# Altium PCB HIVE_BOARD_PCB ASCII REV Project_PCB_Rev.Project_SCH_Rev.PcbDoc (part 4 of 9)
Units mm, origin at the board's own origin, x right, y up, seen from the top; angles counter-clockwise.
Board outline 110 x 110 mm, 8 copper layers (Top, GND_1, Signal_1, GND_2, PWR, Signal_2, GND_3, Bottom), stack 1.6 mm thick; 674 components, 474 nets, 2528 pads, 2100 vias.
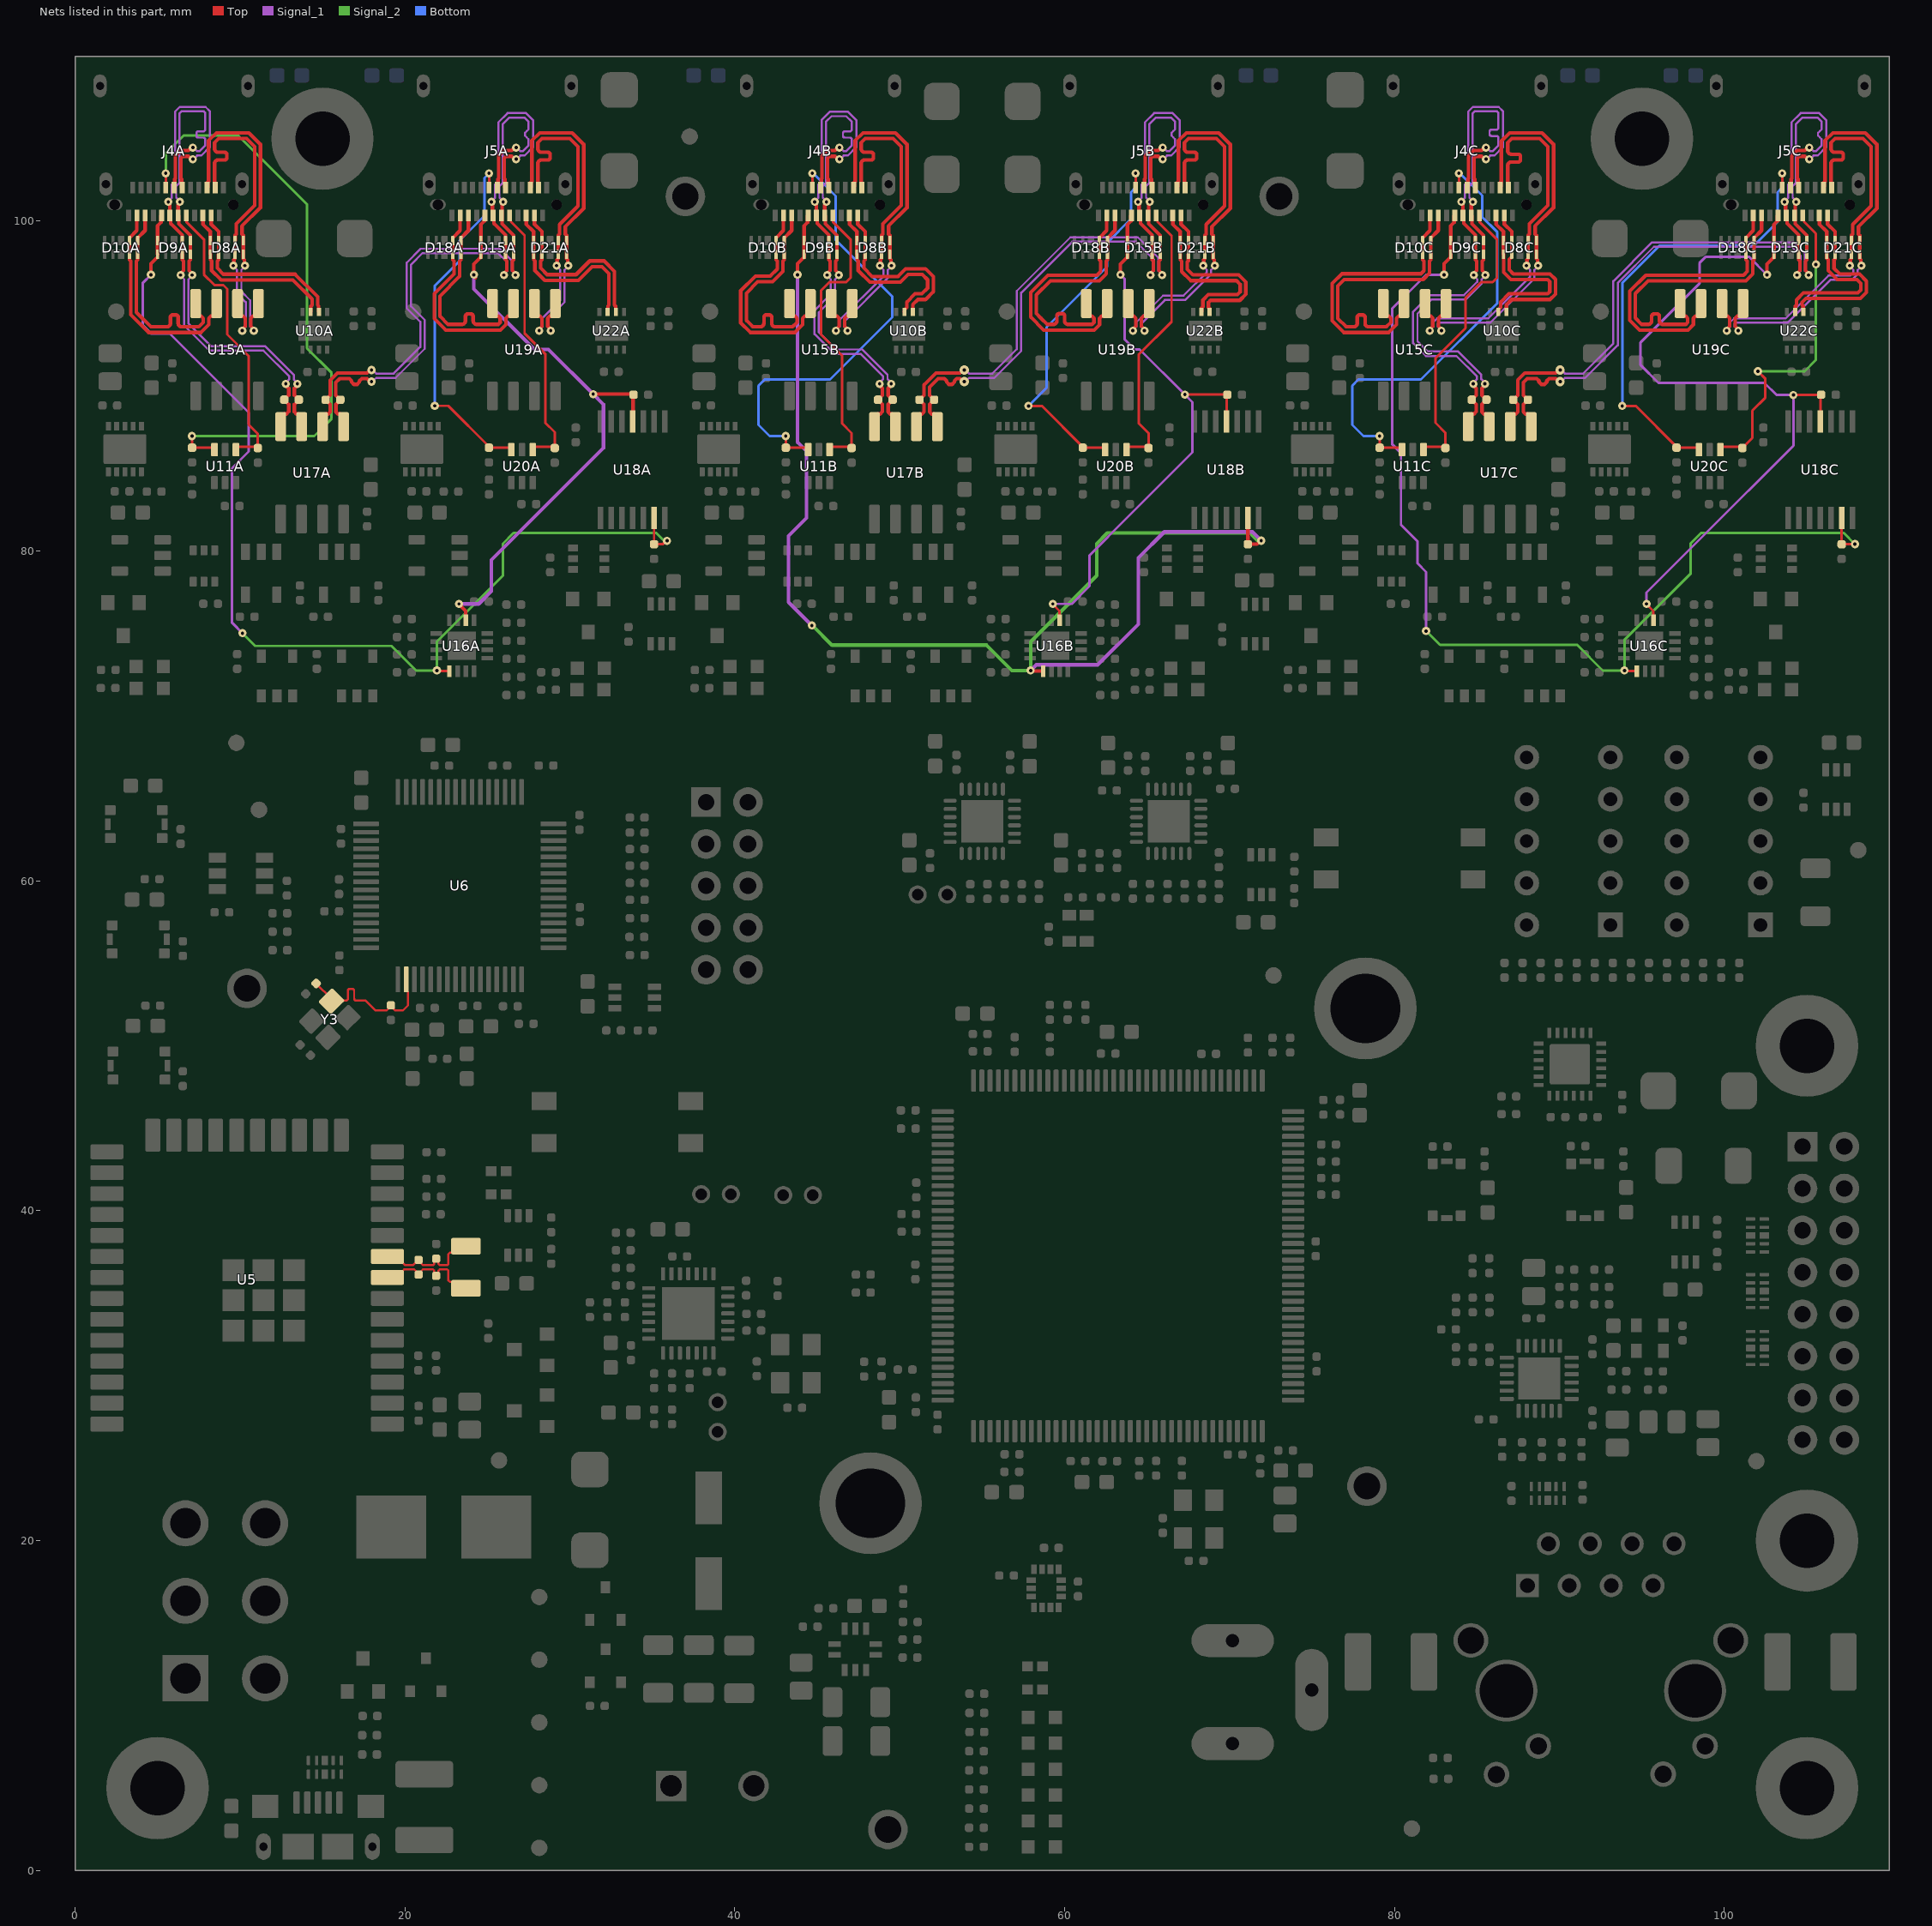
[diagram p10: the nets of this part, all layers, seen from the top]

## Via types
v1: diameter 0.5, hole 0.2, Top to Bottom, tented both sides, 1950 vias
v2: diameter 0.55, hole 0.2, Top to Bottom, tented both sides, 104 vias
v3: diameter 0.5, hole 0.2, Top to Bottom, 41 vias
v4: diameter 0.5, hole 0.2, Top to Bottom, tented bottom, 5 vias

## Nets (pads, with @x,y where several pads share a name; then routed paths per layer and width w, separated by ;. In a path a pad name is that pad's centre, name@x,y a point inside that pad or via, vN(x,y) a via of type N, cw(c..) or ccw(c..) an arc to the next point about the centre after c; other vN are vias at no path point) (continued)
12M_X_P: C74.2 R70.2 U6.2 Y3.1 | length 9.4
  Top w0.127: C74.2@14.615,53.781 Y3.1@15.54,52.856 ; Y3.1@15.551,52.703 15.586,52.738 16.351,52.738 16.414,52.738 ccw(c16.414,52.865) 16.541,52.865 16.541,53.338 cw(c16.656,53.338) 16.656,53.453 16.808,53.453 cw(c16.808,53.338) 16.922,53.338 16.922,52.865 ccw(c17.049,52.865) 17.049,52.738 17.403,52.738 17.62,52.738 18.212,52.146 18.885,52.146 R70.2@19.149,52.411 ; R70.2@19.149,52.459 R70.2@19.149,52.411 ; U6.2@20.071,54.022 20.071,53.382 20.194,53.259 20.194,52.462 19.874,52.141 19.419,52.141 R70.2@19.149,52.411
32K_X_N: C67.2 R132.1 U5.9 X3.2 | length 6.6
  Top w0.127: U5.9@18.932,37.229 19.493,37.229 20.019,36.703 20.487,36.703 R132.1@20.806,37.021 ; R132.1@20.828,37.021 20.828,36.973 21.019,36.783 21.019,36.778 21.093,36.704 21.706,36.704 21.78,36.778 21.78,36.983 C67.2@21.895,37.097 22.031,36.962 22.031,36.784 22.034,36.78 22.034,36.778 22.109,36.704 22.378,36.704 ; 22.379,36.703 22.559,36.703 22.633,36.777 22.633,37.37 22.73,37.466 23.313,37.466 X3.2@23.698,37.851
32K_X_P: C66.2 R132.2 U5.8 X3.1 | length 6.6
  Top w0.127: U5.8@18.932,35.959 19.467,35.959 19.958,36.449 20.56,36.449 R132.2@20.828,36.18 ; R132.2@20.828,36.132 R132.2@20.828,36.18 ; 22.274,36.449 22.559,36.449 22.633,36.375 22.633,35.783 22.73,35.686 23.313,35.686 X3.1@23.698,35.301 ; 22.273,36.45 22.109,36.45 22.034,36.375 22.034,36.374 22.031,36.37 22.031,36.192 C66.2@21.895,36.056 21.78,36.171 21.78,36.375 21.706,36.45 21.093,36.45 21.019,36.375 21.019,36.371 R132.2@20.828,36.18
BB_CC1_0A: J4A.A5 R95A.2 U11A.1 | length 17.8
  Top w0.152: J4A.A5@6.75,100.34 6.75,99.956 7.812,98.893 7.812,96.76 8.459,96.114 8.992,96.114 9.22,95.885 9.22,93.127 10.525,91.822 10.525,87.661 11.082,87.104 R95A.2@11.082,86.245 ; U11A.1@9.752,86.146 9.752,86.266 9.799,86.314 11.013,86.314 R95A.2@11.082,86.245 ; R95A.2@11.137,86.301 R95A.2@11.082,86.245
BB_CC1_0B: J4B.A5 R95B.2 U11B.1 | length 18.2
  Top w0.152: U11B.1@45.752,86.146 45.752,86.266 45.799,86.314 47.013,86.314 R95B.2@47.082,86.245 ; J4B.A5@45.95,100.34 45.95,99.956 47.012,98.893 47.012,96.563 46.751,96.302 45.738,96.302 45.22,95.784 45.22,93.127 45.708,92.639 46.503,91.845 46.503,87.732 47.082,87.153 R95B.2@47.082,86.245 ; R95B.2@47.137,86.301 R95B.2@47.082,86.245
BB_CC1_0C: J4C.A5 R95C.2 U11C.1 | length 18.2
  Top w0.152: U11C.1@81.752,86.146 81.752,86.266 81.799,86.314 83.013,86.314 R95C.2@83.082,86.245 ; R95C.2@83.082,86.314 83.082,87.167 82.481,87.769 82.481,91.691 84.3,93.51 84.3,95.35 85.246,96.296 85.946,96.296 86.213,96.562 86.213,98.893 85.15,99.956 J4C.A5@85.15,100.34
BB_CC1_1A: J5A.A5 R117A.2 U20A.1 | length 16.6
  Top w0.152: J5A.A5@26.35,100.34 26.424,100.266 26.424,99.967 27.254,99.136 27.254,93.2 28.504,91.95 28.504,87.778 29.082,87.2 R117A.2@29.082,86.245 ; U20A.1@27.752,86.146 27.752,86.266 27.799,86.314 R117A.2@29.013,86.314
BB_CC1_1B: J5B.A5 R117B.2 U20B.1 | length 17
  Top w0.152: U20B.1@63.752,86.146 63.752,86.266 63.799,86.314 R117B.2@65.013,86.314 ; R117B.2@65.082,86.245 65.082,86.314 65.082,87.146 64.483,87.745 64.483,91.903 66.48,93.899 66.48,99.111 65.624,99.967 65.624,100.266 J5B.A5@65.55,100.34
BB_CC1_1C: J5C.A5 R117C.2 U20C.1 | length 19.7
  Top w0.152: U20C.1@99.752,86.146 99.752,86.266 99.799,86.314 R117C.2@101.013,86.314 ; R117C.2@101.082,86.245 101.693,86.856 101.693,88.512 102.48,89.299 102.48,90.444 v1(102.028,90.896) ; J5C.A5@104.75,100.34 104.824,100.266 104.824,99.967 105.543,99.247 v1(105.543,97.375)
  Signal_2 w0.152: v1(102.028,90.896) 104.859,90.896 105.543,91.581 v1(105.543,97.375)
BB_CC2_0A: J4A.B5 R97A.1 U11A.3 | length 37.5
  Top w0.152: J4A.B5@5.5,102.04 v1(5.5,102.897) ; v1(7.089,86.97) 7.095,86.964 R97A.1@7.095,86.265 8.404,86.265 8.452,86.218 U11A.3@8.452,86.146
  Signal_2 w0.152: v1(5.5,102.897) 5.5,104.115 6.583,105.198 9.885,105.198 14.065,101.019 14.065,92.29 15.553,90.801 15.553,88.025 14.498,86.97 v1(7.089,86.97)
BB_CC2_0B: J4B.B5 R97B.1 U11B.3 | length 27.9
  Top w0.152: v1(43.089,86.97) 43.095,86.964 R97B.1@43.095,86.265 44.404,86.265 44.452,86.218 U11B.3@44.452,86.146 ; J4B.B5@44.7,102.04 v1(44.7,102.898)
  Bottom w0.152: v1@43.087,86.972 42.105,86.972 41.43,87.646 41.43,90.021 41.807,90.398 45.773,90.398 49.546,94.171 49.546,95.431 46.113,98.864 46.113,101.531 44.746,102.898 v1(44.7,102.898)
BB_CC2_0C: J4C.B5 R97C.1 U11C.3 | length 27.1
  Top w0.152: v1(79.089,86.97) 79.095,86.964 R97C.1@79.095,86.265 80.404,86.265 80.452,86.218 U11C.3@80.452,86.146 ; J4C.B5@83.9,102.04 v1(83.9,102.897)
  Bottom w0.152: v1(79.089,86.97) 78.107,86.97 77.432,87.644 77.432,90.019 77.809,90.396 81.596,90.396 86.232,95.032 86.232,99.326 85.313,100.245 85.313,101.553 83.969,102.897 v1(83.9,102.897)
BB_CC2_1A: J5A.B5 R118A.1 U20A.3 | length 22.1
  Top w0.152: v1(21.811,88.803) 22.622,88.803 R118A.1@25.109,86.315 ; J5A.B5@25.1,102.04 v1(25.1,102.897) ; R118A.1@25.109,86.279 R118A.1@25.095,86.265 26.404,86.265 26.452,86.218 U20A.3@26.452,86.146
  Bottom w0.152: v1(21.811,88.803) 21.811,96.082 23.316,97.587 23.316,98.82 24.821,100.325 24.821,102.618 v1(25.1,102.897)
BB_CC2_1B: J5B.B5 R118B.1 U20B.3 | length 23.5
  Top w0.152: v1(57.805,88.797) 58.616,88.797 R118B.1@61.103,86.31 ; R118B.1@61.109,86.279 R118B.1@61.095,86.265 62.404,86.265 62.452,86.218 U20B.3@62.452,86.146 ; J5B.B5@64.3,102.04 v1(64.3,102.898)
  Bottom w0.152: v1(57.805,88.797) 58.908,89.899 58.908,93.579 62.564,97.236 62.564,98.68 64.029,100.145 64.029,100.936 64.021,100.944 64.021,101.758 64.3,102.037 v1(64.3,102.898)
BB_CC2_1C: J5C.B5 R118C.1 U20C.3 | length 28.1
  Top w0.152: v1(93.805,88.797) 94.616,88.797 R118C.1@97.103,86.31 ; R118C.1@97.109,86.279 R118C.1@97.095,86.265 98.404,86.265 98.452,86.218 U20C.3@98.452,86.146 ; J5C.B5@103.5,102.04 v1(103.5,102.897)
  Bottom w0.152: v1(93.805,88.797) 93.805,96.256 96.052,98.503 101.767,98.503 103.221,99.957 103.221,101.758 103.5,102.037 v1(103.5,102.897)
BB_CLK_0A_N: D8A.5 D8A.6 J4A.A3 U10A.7 | length 11.2
  Top w0.216: J4A.A3@7.75,100.34 7.755,100.334 7.755,99.819 8.2,99.374 D8A.5@8.2,98.817 D8A.6@8.2,97.982 8.208,97.975 8.208,97.652 8.279,97.581 8.279,97.011 8.852,96.438 13.201,96.438 14.365,95.274 14.365,94.912 14.303,94.851 14.303,94.518 U10A.7@14.286,94.501
BB_CLK_0A_P: D8A.4 D8A.7 J4A.A2 U10A.6 | length 11.2
  Top w0.216: J4A.A2@8.25,100.34 8.251,99.814 8.7,99.365 D8A.4@8.7,98.817 D8A.7@8.7,97.982 8.692,97.975 8.692,97.652 8.621,97.581 8.621,97.153 8.994,96.78 13.343,96.78 14.708,95.416 14.708,94.912 14.769,94.851 14.769,94.518 U10A.6@14.786,94.501
BB_CLK_0B_N: D8B.5 D8B.6 J4B.A3 U10B.7 | length 11.1
  Top w0.216: J4B.A3@46.95,100.34 46.955,100.335 46.955,99.819 47.4,99.375 D8B.5@47.4,98.817 47.4,97.983 47.408,97.975 47.408,97.652 47.479,97.581 47.479,97.012 48.186,96.304 50.035,96.304 50.499,96.768 51.365,96.768 51.689,96.444 51.689,95.936 51.346,95.593 50.929,95.593 50.426,95.09 50.426,94.766 50.303,94.643 50.303,94.518 U10B.7@50.286,94.501
BB_CLK_0B_P: D8B.4 D8B.7 J4B.A2 U10B.6 | length 11.1
  Top w0.216: J4B.A2@47.451,100.339 47.451,99.815 47.9,99.366 D8B.4@47.9,98.817 47.9,97.983 47.892,97.975 47.892,97.652 47.822,97.581 47.822,97.154 48.328,96.647 49.893,96.647 50.357,97.111 51.563,97.111 52.032,96.642 52.032,95.719 51.563,95.25 51.097,95.25 50.786,94.94 U10B.6@50.786,94.501
BB_CLK_0C_N: D8C.5 D8C.6 J4C.A3 U10C.7 | length 11.2
  Top w0.216: J4C.A3@86.15,100.34 86.155,100.334 86.155,99.819 86.6,99.374 D8C.5@86.6,98.817 D8C.6@86.6,97.982 86.608,97.975 86.608,96.907 87.058,96.456 89.282,96.456 89.408,96.33 89.408,95.719 89.282,95.593 86.929,95.593 86.426,95.09 86.426,94.766 86.303,94.643 86.303,94.518 U10C.7@86.286,94.501
BB_CLK_0C_P: D8C.4 D8C.7 J4C.A2 U10C.6 | length 11.1
  Top w0.216: J4C.A2@86.65,100.34 86.651,99.815 87.1,99.365 D8C.4@87.1,98.817 D8C.7@87.1,97.982 87.1,97.816 87.084,97.8 87.078,97.8 86.951,97.674 86.951,97.049 87.201,96.799 89.424,96.799 89.751,96.472 89.751,95.577 89.424,95.25 87.097,95.25 86.786,94.94 U10C.6@86.786,94.501
BB_CLK_1A_N: D21A.5 D21A.6 J5A.A3 U22A.7 | length 11.1
  Top w0.216: J5A.A3@27.355,100.334 27.355,99.819 27.8,99.374 D21A.5@27.8,98.817 D21A.6@27.8,97.982 27.808,97.975 27.808,97.652 27.879,97.581 27.879,97.011 28.477,96.412 30.515,96.412 31.346,97.244 31.938,97.244 32.365,96.817 32.365,94.912 32.303,94.851 32.303,94.518 U22A.7@32.286,94.501
BB_CLK_1A_P: D21A.4 D21A.7 J5A.A2 U22A.6 | length 11.2
  Top w0.216: J5A.A2@27.85,100.34 27.851,100.339 27.851,99.814 28.3,99.365 D21A.4@28.3,98.817 D21A.7@28.3,97.982 28.292,97.975 28.292,97.652 28.221,97.581 28.221,97.153 28.619,96.755 30.373,96.755 31.204,97.587 32.08,97.587 32.708,96.959 32.708,94.912 32.769,94.851 32.769,94.518 U22A.6@32.786,94.501
BB_CLK_1B_N: D21B.5 D21B.6 J5B.A3 U22B.7 | length 11.2
  Top w0.216: J5B.A3@66.555,100.335 66.555,99.819 67,99.375 D21B.5@67,98.817 67,97.983 67.008,97.975 67.008,97.652 67.094,97.566 67.094,96.937 67.636,96.395 70.407,96.395 70.637,96.164 70.637,95.71 70.47,95.542 68.704,95.542 68.377,95.215 68.377,94.814 68.303,94.74 68.303,94.518 U22B.7@68.286,94.501
BB_CLK_1B_P: D21B.4 D21B.7 J5B.A2 U22B.6 | length 11.1
  Top w0.216: J5B.A2@67.05,100.34 67.051,100.339 67.051,99.815 67.5,99.366 D21B.4@67.5,98.817 67.5,97.983 67.492,97.975 67.492,97.588 67.436,97.532 67.436,97.079 67.778,96.738 70.549,96.738 70.98,96.306 70.98,95.567 70.612,95.199 68.846,95.199 68.72,95.073 68.72,94.769 68.769,94.72 68.769,94.518 U22B.6@68.786,94.501
BB_CLK_1C_N: D21C.5 D21C.6 J5C.A3 U22C.7 | length 11.2
  Top w0.216: U22C.7@104.286,94.501 104.303,94.518 104.303,94.851 104.365,94.912 104.365,95.223 104.79,95.648 108.092,95.648 108.267,95.824 108.267,96.226 108.04,96.453 106.847,96.453 106.299,97 106.299,97.663 106.2,97.762 D21C.6@106.2,97.982 D21C.5@106.2,98.817 106.2,99.374 105.755,99.819 J5C.A3@105.755,100.334
BB_CLK_1C_P: D21C.4 D21C.7 J5C.A2 U22C.6 | length 11.1
  Top w0.216: U22C.6@104.786,94.501 104.769,94.518 104.769,94.851 104.708,94.912 104.708,95.081 104.932,95.305 108.234,95.305 108.61,95.682 108.61,96.368 108.182,96.796 106.989,96.796 106.642,97.142 106.642,97.65 106.7,97.708 D21C.7@106.7,97.982 ; J5C.A2@106.25,100.34 J5C.A2@106.25,100.34 106.251,99.815 106.7,99.365 D21C.4@106.7,98.817 D21C.7@106.7,97.982
BB_RESET_0A: D9A.5 D9A.6 J4A.A8 R99A.2 U16A.9 U18A.6 | length 65.5
  Top w0.152: D9A.6@4.961,97.776 4.976,97.776 5,97.8 D9A.6@5,97.982 ; J4A.A8@5.208,100.298 J4A.A8@5.25,100.34 ; v1(21.936,72.756) 21.961,72.731 22.681,72.731 22.694,72.719 U16A.9@22.694,72.706 ; U18A.6@35.105,82 35.105,80.416 R99A.2@35.105,80.41 35.626,80.41 35.84,80.623 v1(35.889,80.623)
  Top w0.216: v1(4.597,96.749) 4.597,97.412 D9A.6@4.961,97.776 ; D9A.6@5,97.982 5,99.716 5.208,99.924 5.208,99.971 J4A.A8@5.208,100.298
  Signal_1 w0.152: v1(4.597,96.749) 4.116,96.267 4.116,93.681 4.608,93.189 5.75,93.189 10.534,88.405 10.534,86.038 9.521,85.025 9.521,82.694 9.521,75.645 v1(10.148,75.018)
  Signal_2 w0.152: v1(10.148,75.018) 10.922,74.244 19.188,74.244 20.676,72.756 v1(21.936,72.756) 21.936,74.505 25.94,78.509 25.94,80.447 26.581,81.088 35.236,81.088 35.7,80.623 v1(35.889,80.623)
BB_RESET_0B: D9B.5 D9B.6 J4B.A8 R99B.2 U16B.9 U18B.6 | length 83.9
  Top w0.216: v1(43.797,96.749) 43.797,97.413 44.161,97.777 44.176,97.777 44.2,97.8 44.2,99.699 44.408,99.907 44.408,99.972 44.408,100.298 J4B.A8@44.45,100.34 ; v1(57.936,72.756) 57.961,72.731 58.681,72.731 58.694,72.719 U16B.9@58.694,72.706 ; R99B.2@71.105,80.41 R99B.2@71.105,80.416 ; U18B.6@71.105,82 R99B.2@71.105,80.416 ; v1(71.914,80.627) 71.866,80.627 71.656,80.416 R99B.2@71.105,80.416
  Signal_1 w0.216: v1(43.797,96.749) 43.797,86.596 44.339,86.054 44.339,82.001 43.258,80.921 43.258,76.896 v1(44.67,75.484) ; v1(57.936,72.756) 58.281,73.101 62.001,73.101 64.46,75.561 64.46,79.583 66.037,81.159 71.381,81.159 v1(71.914,80.627)
  Signal_2 w0.216: v1(44.67,75.484) 44.701,75.484 45.891,74.295 55.257,74.295 56.795,72.756 v1(57.936,72.756) 57.936,74.505 61.94,78.509 61.94,80.447 62.581,81.088 71.236,81.088 71.697,80.627 v1(71.914,80.627)
BB_RESET_0C: D9C.5 D9C.6 J4C.A8 R99C.2 U16C.9 U18C.6 | length 64.3
  Top w0.152: v1(93.936,72.756) 93.961,72.731 94.681,72.731 94.694,72.719 U16C.9@94.694,72.706 ; R99C.2@107.105,80.41 R99C.2@107.105,80.416 ; U18C.6@107.105,82 R99C.2@107.105,80.416 ; v1(107.907,80.416) R99C.2@107.105,80.416
  Top w0.216: v1(82.998,96.749) 82.998,97.412 83.361,97.776 83.376,97.776 83.4,97.8 83.4,99.707 83.608,99.915 83.608,99.971 83.608,100.298 J4C.A8@83.65,100.34
  Signal_1 w0.152: v1(81.911,75.15) 81.911,78.736 81.397,79.249 81.397,80.58 80.387,81.59 80.387,85.947 79.847,86.487 79.847,94.686 81.91,96.749 v1(82.998,96.749)
  Signal_2 w0.152: v1(81.911,75.15) 82.757,74.303 91.075,74.303 92.622,72.756 v1(93.936,72.756) 93.936,74.604 97.94,78.608 97.94,80.447 98.581,81.088 107.236,81.088 v1(107.907,80.416)
BB_RESET_1A: D15A.5 D15A.6 J5A.A8 R119A.2 U16A.2 U18A.11 | length 37.6
  Top w0.216: v1@23.26,76.789 23.681,76.368 23.681,75.819 U16A.2@23.694,75.806 ; v1@24.248,96.749 v1@24.248,96.605 ; v1@24.282,96.571 v1@24.248,96.605 ; J5A.A8@24.85,100.34 24.808,100.298 24.808,100.001 24.6,99.793 D15A.5@24.6,98.817 D15A.6@24.6,97.982 24.6,97.8 24.576,97.776 24.562,97.776 24.181,97.395 v1(24.181,96.749) 24.181,96.673 v1@24.248,96.605 ; v1(31.412,89.512) 33.682,89.512 33.736,89.459 33.807,89.529 R119A.2@33.859,89.477 33.832,89.451 33.832,87.877 U18A.11@33.805,87.85
  Signal_1 w0.216: v1(23.277,76.794) 24.473,76.794 25.242,77.563 25.242,79.457 32.034,86.249 32.034,88.89 v1(31.412,89.512) 28.705,92.219 27.853,92.219 24.181,95.891 v1(24.181,96.749)
BB_RESET_1B: D15B.5 D15B.6 J5B.A8 R119B.2 U16B.2 U18B.11 | length 35.5
  Top w0.152: v1@59.26,76.789 59.681,76.368 59.681,75.819 U16B.2@59.694,75.806 ; v1(67.285,89.484) 69.711,89.484 69.736,89.459 69.807,89.529 R119B.2@69.859,89.477 69.832,89.451 69.832,87.877 U18B.11@69.805,87.85
  Top w0.216: v1@63.381,96.673 v1(63.381,96.749) 63.381,97.396 63.762,97.777 63.776,97.777 63.8,97.8 D15B.5@63.8,98.817 63.8,99.794 64.008,100.002 64.008,100.298 J5B.A8@64.05,100.34
  Signal_1 w0.152: v1(59.277,76.794) 60.43,76.794 61.501,77.866 61.501,79.735 63.794,82.028 67.742,85.976 67.742,89.027 v1(67.285,89.484) 64.549,92.219 64.237,92.219 63.643,92.813 63.643,96.486 v1@63.381,96.748
BB_RESET_1C: D15C.5 D15C.6 J5C.A8 R119C.2 U16C.2 U18C.11 | length 47.2
  Top w0.152: v1@95.26,76.789 95.681,76.368 95.681,75.819 U16C.2@95.694,75.806 ; v1(104.182,89.459) 105.736,89.459 105.807,89.529 R119C.2@105.859,89.477 105.832,89.451 105.832,87.877 U18C.11@105.805,87.85
  Top w0.216: v1@102.581,96.673 v1(102.581,96.749) 102.581,97.396 102.962,97.776 102.976,97.776 103,97.8 D15C.5@103,98.817 103,99.793 103.208,100.001 103.208,100.298 J5C.A8@103.25,100.34
  Signal_1 w0.152: v1(95.277,76.794) 95.277,77.485 98.672,80.88 104.182,86.39 v1(104.182,89.459) 103.158,89.459 102.421,90.195 95.995,90.195 94.914,91.276 94.914,92.644 98.485,96.215 98.485,97.457 98.873,97.845 101.485,97.845 v1(102.581,96.749)
BB_SPI_CLK_0A_N: D8A.1 D8A.10 J4A.B10 U15A.5 | length 20.7
  Top w0.216: J4A.B10@8,102.04 8.042,102.082 8.042,102.357 8.093,102.408 8.093,104.875 8.573,105.355 10.541,105.355 11.24,104.656 11.24,100.815 10.121,99.697 10.121,99.219 10.2,99.14 D8A.1@10.2,98.817 D8A.10@10.2,97.982 10.2,97.725 10.271,97.654 10.271,97.335 v1(10.301,97.305) ; v1(10.837,93.359) 10.837,93.449 10.657,93.629 10.657,94.109 10.784,94.235 10.904,94.235 11.121,94.452 U15A.5@11.121,95.002
  Signal_1 w0.127: v1(10.301,97.305) 10.301,97.262 10.083,97.044 10.083,95.733 10.619,95.197 10.619,93.62 10.837,93.402 v1(10.837,93.359)
BB_SPI_CLK_0A_P: D8A.2 D8A.9 J4A.B11 U15A.6 | length 20.7
  Top w0.216: J4A.B11@8.5,102.04 8.458,102.082 8.458,102.912 8.458,103.49 cw(c8.674,103.49) 8.674,103.705 9.059,103.705 ccw(c9.059,103.846) 9.2,103.846 9.2,104.034 ccw(c9.059,104.034) 9.059,104.175 8.674,104.175 cw(c8.674,104.391) 8.458,104.391 8.458,104.754 8.715,105.012 10.399,105.012 10.897,104.514 10.897,100.957 9.779,99.839 9.779,99.219 9.708,99.148 D8A.2@9.708,98.825 ; v1(9.599,97.305) 9.629,97.335 9.629,97.654 9.7,97.725 D8A.9@9.7,97.982 D8A.2@9.7,98.817 ; U15A.6@9.851,95.002 9.851,94.452 10.068,94.235 10.188,94.235 10.314,94.109 10.314,93.629 10.135,93.449 v1(10.135,93.359)
  Signal_1 w0.127: v1(9.599,97.305) 9.599,97.262 9.817,97.044 9.817,95.623 10.352,95.087 10.352,93.62 10.135,93.402 v1(10.135,93.359)
BB_SPI_CLK_0B_N: D8B.1 D8B.10 J4B.B10 U15B.5 | length 21.6
  Top w0.216: v1(46.837,93.359) 46.837,93.449 46.657,93.629 46.657,94.109 46.784,94.235 46.904,94.235 47.121,94.452 U15B.5@47.121,95.002 ; J4B.B10@47.2,102.04 47.242,102.082 47.242,102.357 47.293,102.409 47.293,104.875 47.773,105.355 49.741,105.355 50.44,104.656 50.44,100.816 49.322,99.697 49.322,99.219 49.4,99.141 D8B.1@49.4,98.817 49.4,97.726 49.471,97.655 49.471,97.336 v1@49.501,97.305
  Signal_1 w0.127: v1(46.837,93.359) 46.837,93.402 46.619,93.62 46.619,93.892 49.283,96.557 49.283,97.044 49.501,97.262 v1(49.501,97.305)
BB_SPI_CLK_0B_P: D8B.2 D8B.9 J4B.B11 U15B.6 | length 21.6
  Top w0.216: U15B.6@45.851,95.002 45.851,94.452 46.068,94.235 46.188,94.235 46.314,94.109 46.314,93.629 46.135,93.449 v1(46.135,93.359) ; J4B.B11@47.7,102.04 47.658,102.082 47.658,102.912 47.658,103.49 cw(c47.874,103.49) 47.874,103.706 48.259,103.706 ccw(c48.259,103.847) 48.4,103.847 48.4,104.035 ccw(c48.259,104.035) 48.259,104.176 47.874,104.176 cw(c47.874,104.392) 47.658,104.392 47.658,104.755 47.916,105.012 49.599,105.012 50.097,104.514 50.097,100.958 48.979,99.839 48.979,99.219 48.908,99.149 D8B.2@48.908,98.826 ; v1(48.799,97.305) 48.829,97.336 48.829,97.655 48.9,97.726 D8B.2@48.9,98.817
  Signal_1 w0.127: v1(46.135,93.359) 46.135,93.402 46.352,93.62 46.352,94.003 49.017,96.667 49.017,97.044 48.799,97.262 v1(48.799,97.305)
BB_SPI_CLK_0C_N: D8C.1 D8C.10 J4C.B10 U15C.5 | length 24.8
  Top w0.216: v1(82.837,93.359) 82.837,93.449 82.657,93.629 82.657,94.109 82.784,94.235 82.904,94.235 83.121,94.452 U15C.5@83.121,95.002 ; J4C.B10@86.4,102.04 86.442,102.082 86.442,102.381 86.469,102.408 86.469,104.851 86.974,105.355 88.941,105.355 89.64,104.656 89.64,100.815 88.522,99.697 88.522,99.219 88.6,99.141 D8C.1@88.6,98.817 D8C.10@88.6,97.982 88.6,97.725 88.671,97.655 88.671,97.335 v1(88.701,97.305)